# Altium PCB dcdc fix PT1000_16CH.PCBDOC (part 1 of 5)
Units mm, origin at the board's own origin, x right, y up, seen from the top; angles counter-clockwise.
Board outline 289.59 x 100 mm, 4 copper layers (TOP, G1, L2, BOT), stack 1.55 mm thick; 578 components, 662 nets, 2471 pads, 1032 vias.
Unrouted connection lines stored in the file: 760.
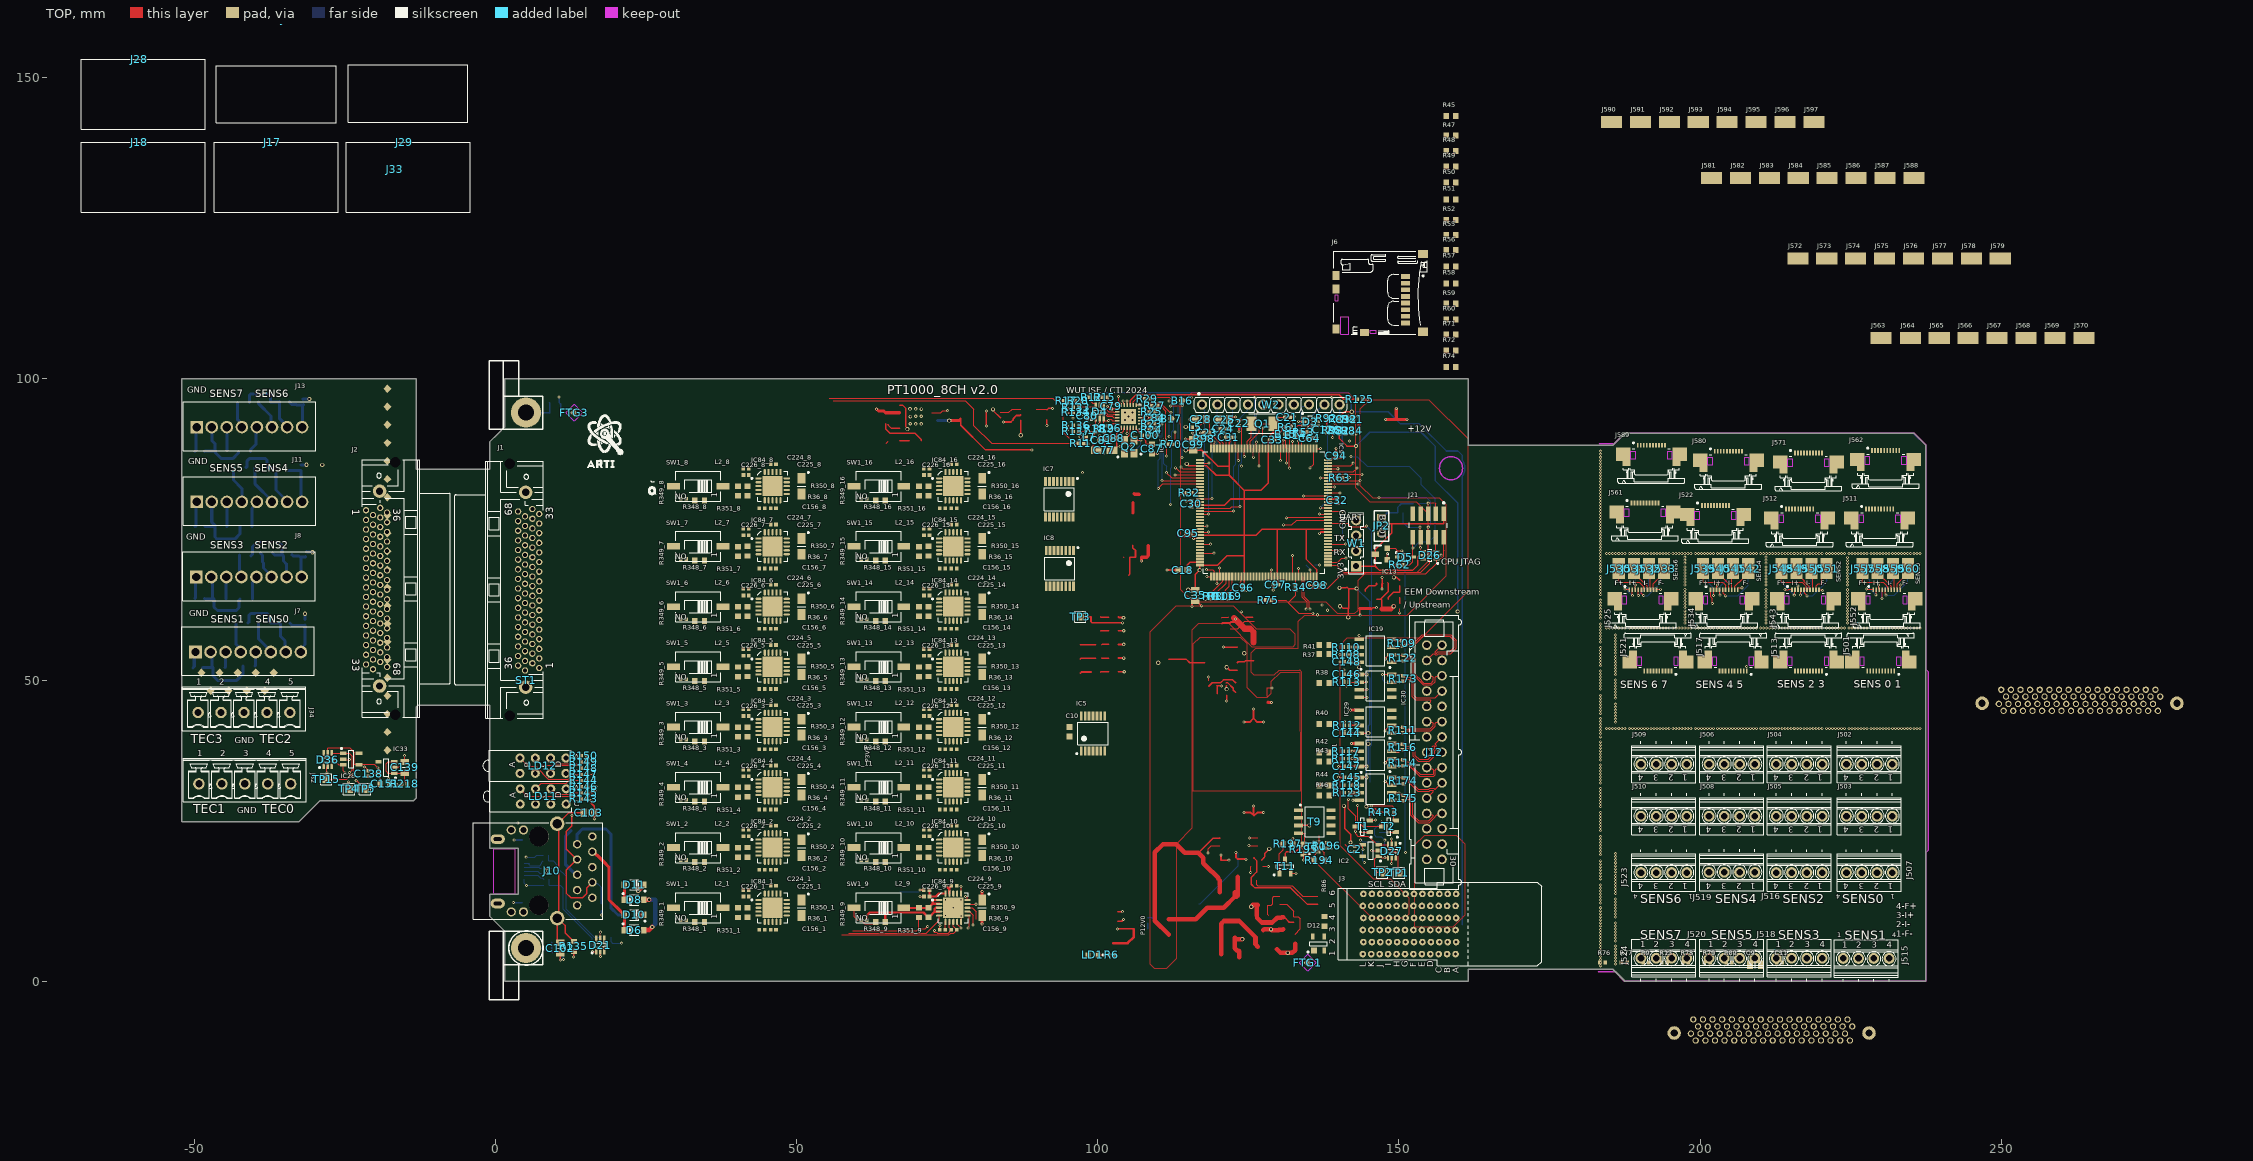
[diagram p0: TOP view]
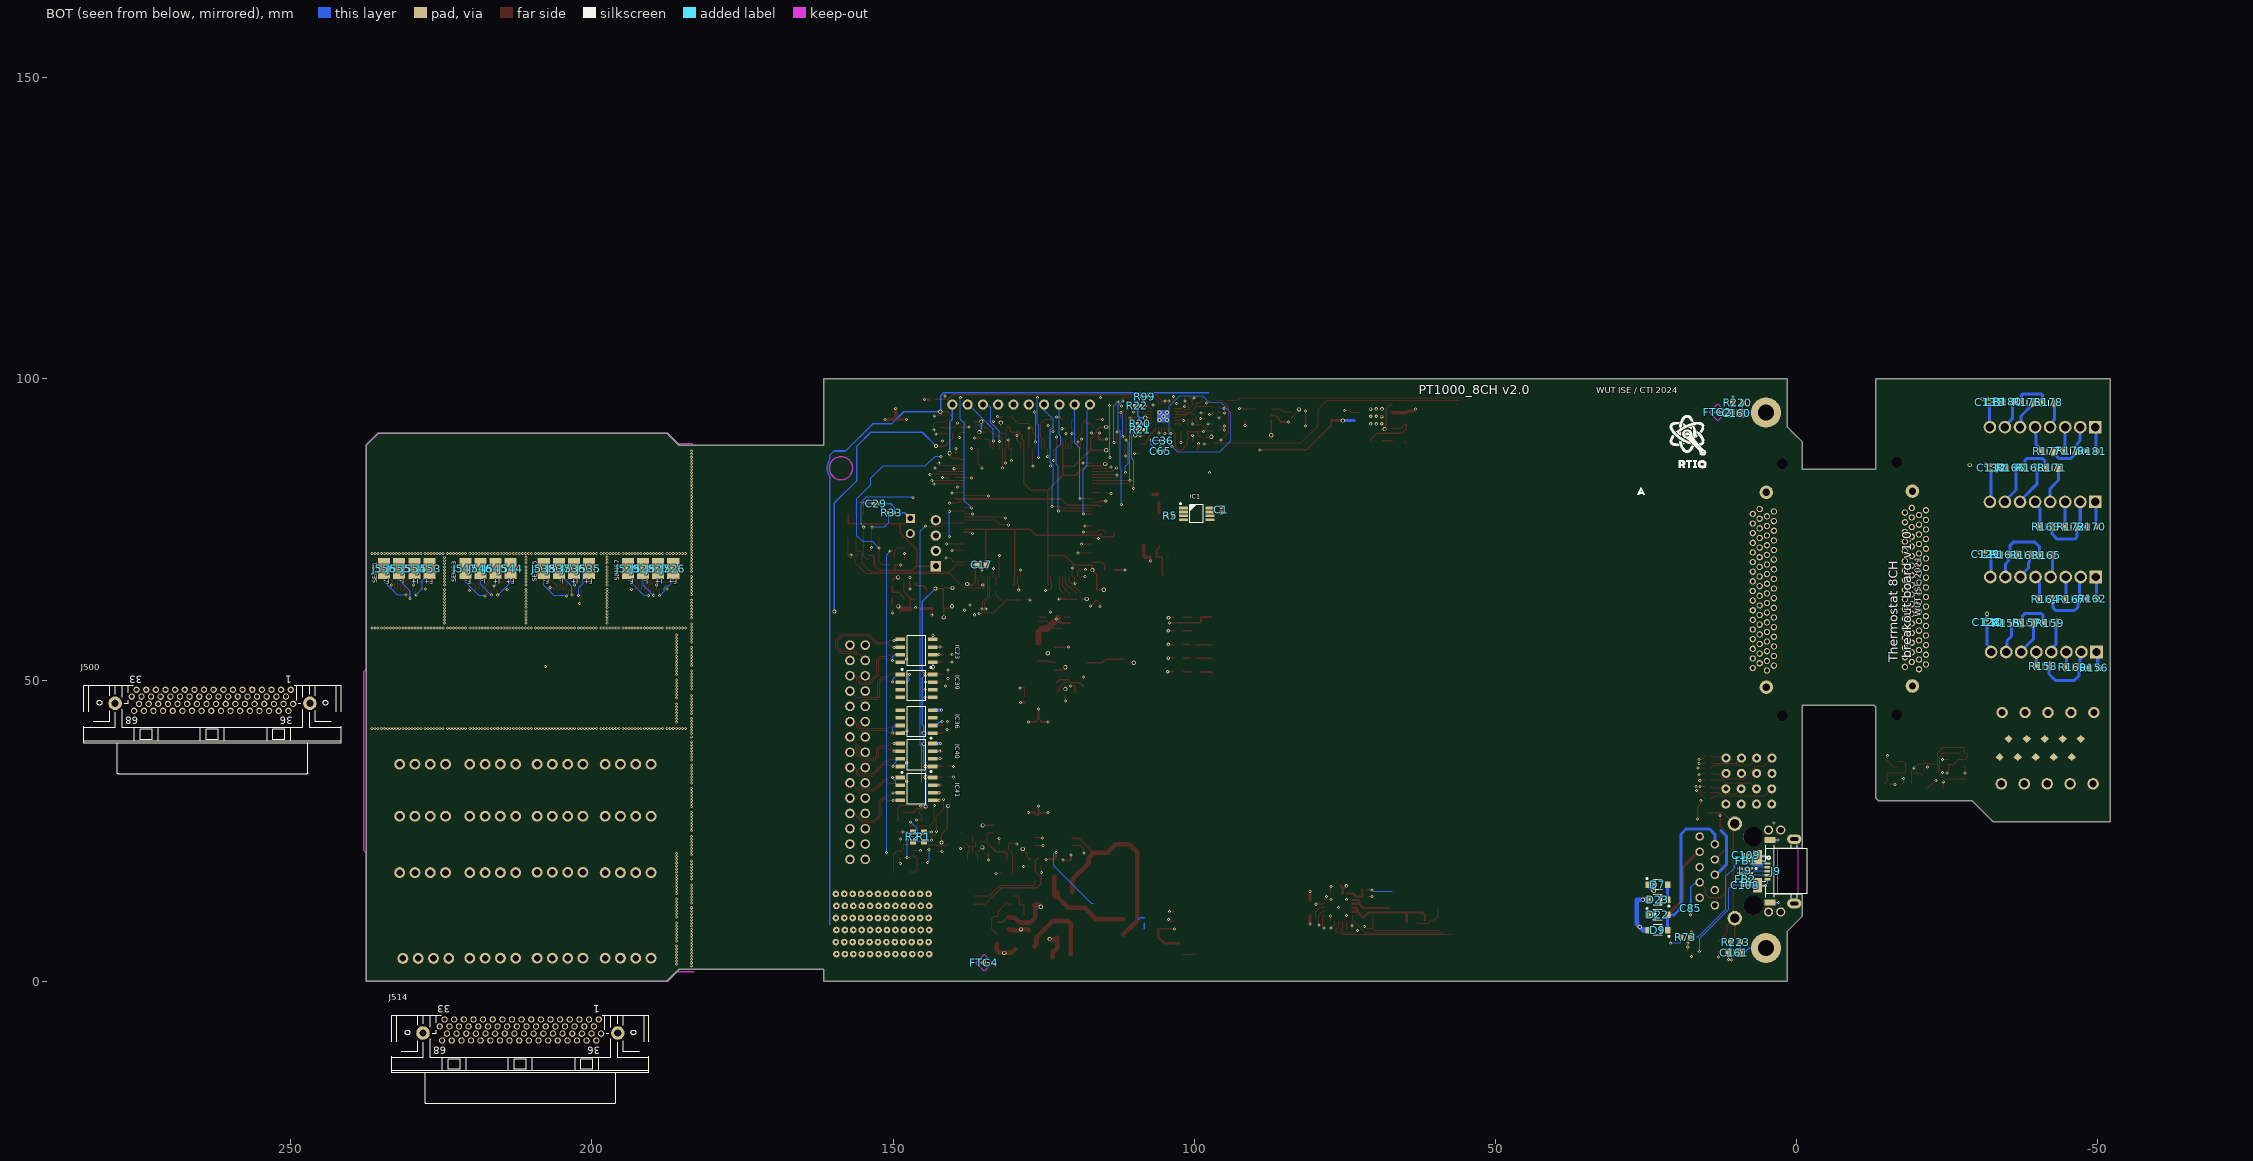
[diagram p1: BOT view, seen from below]
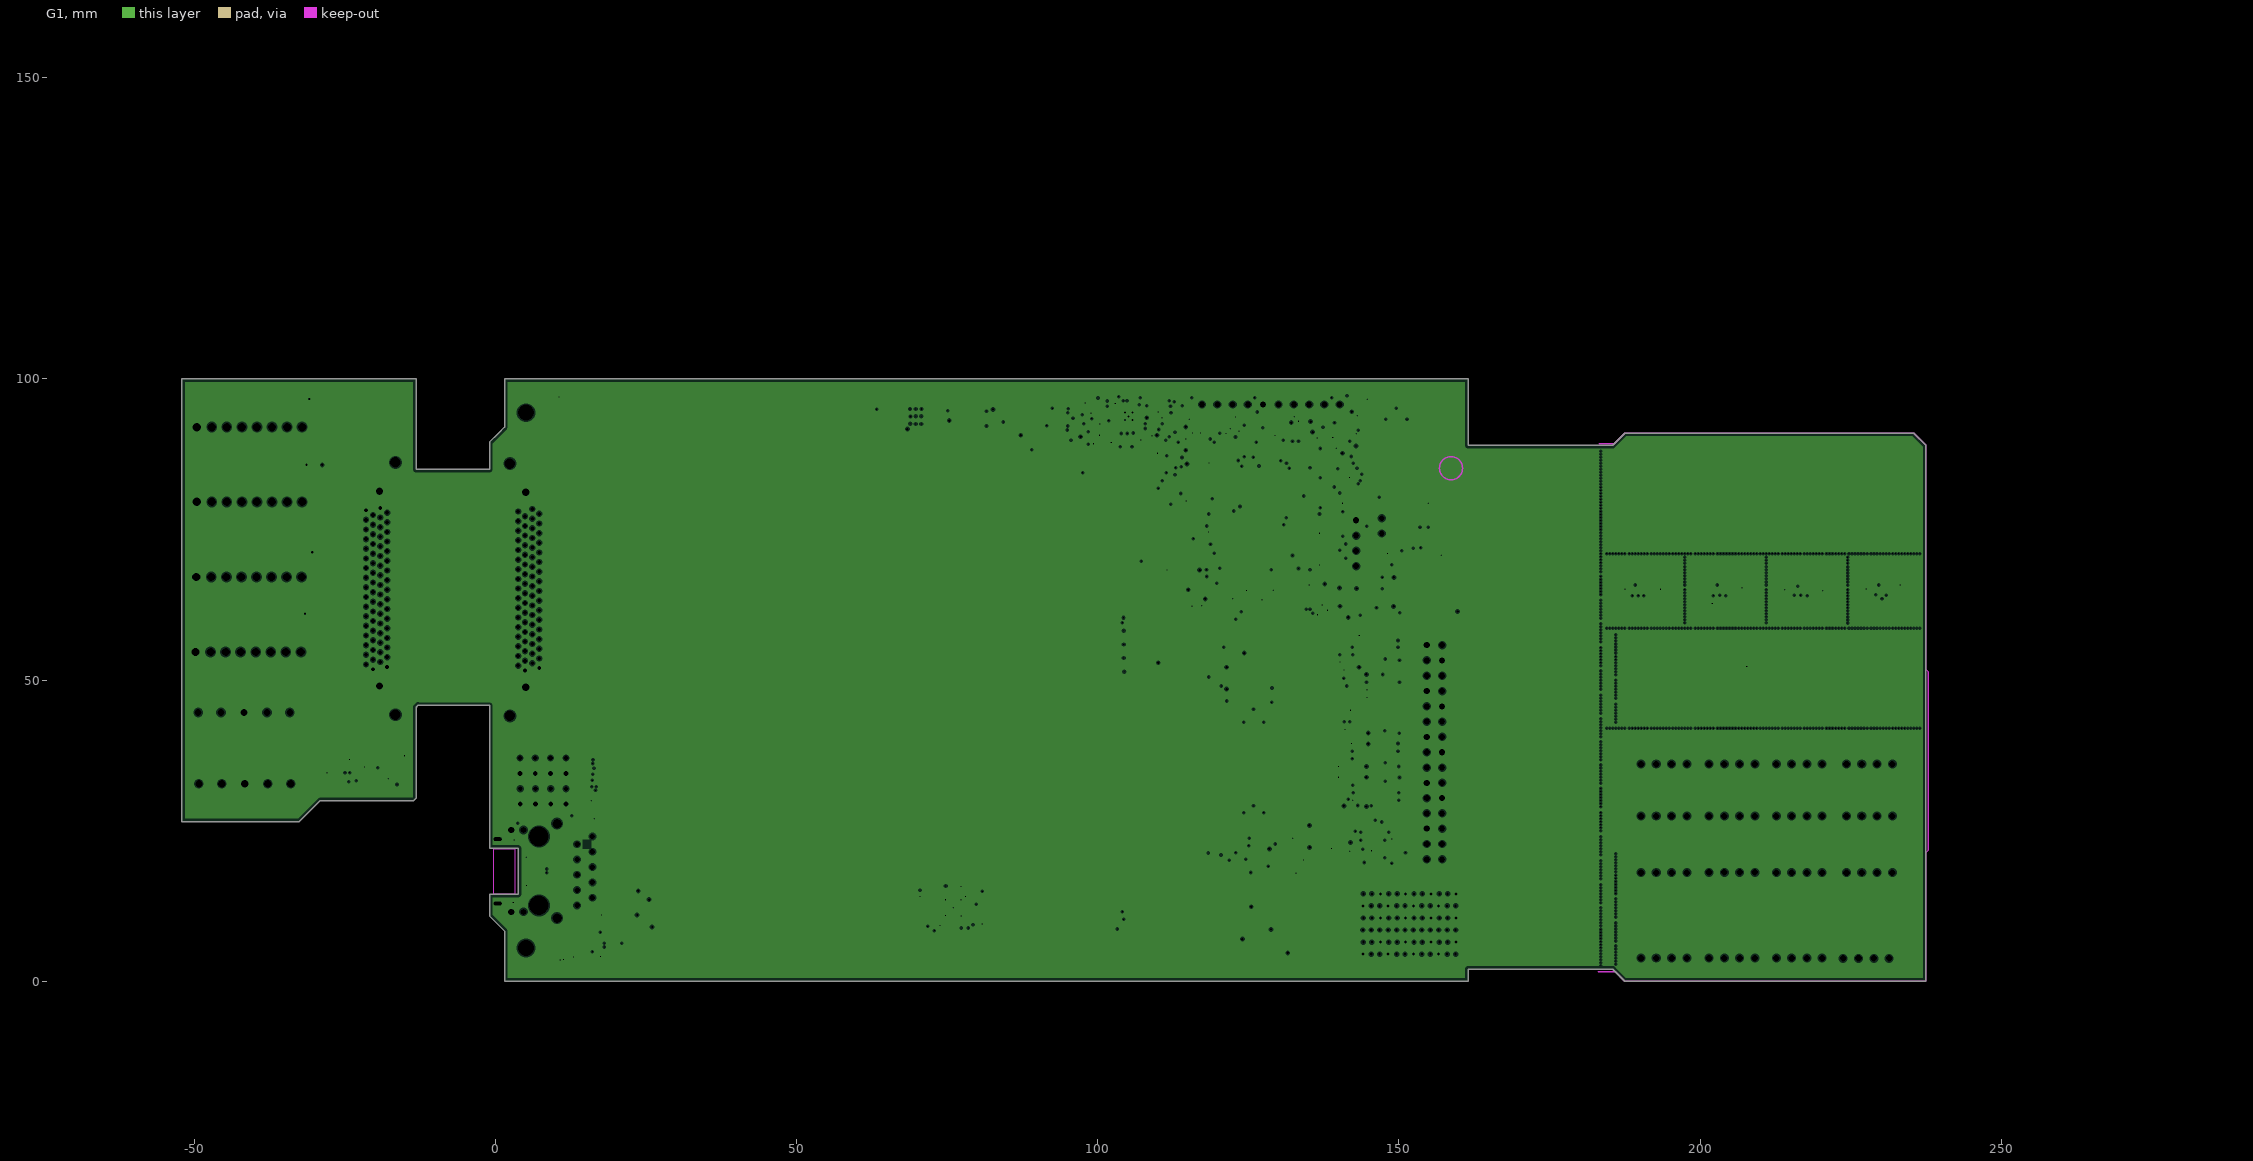
[diagram p2: G1, clearances drawn from the general rule]
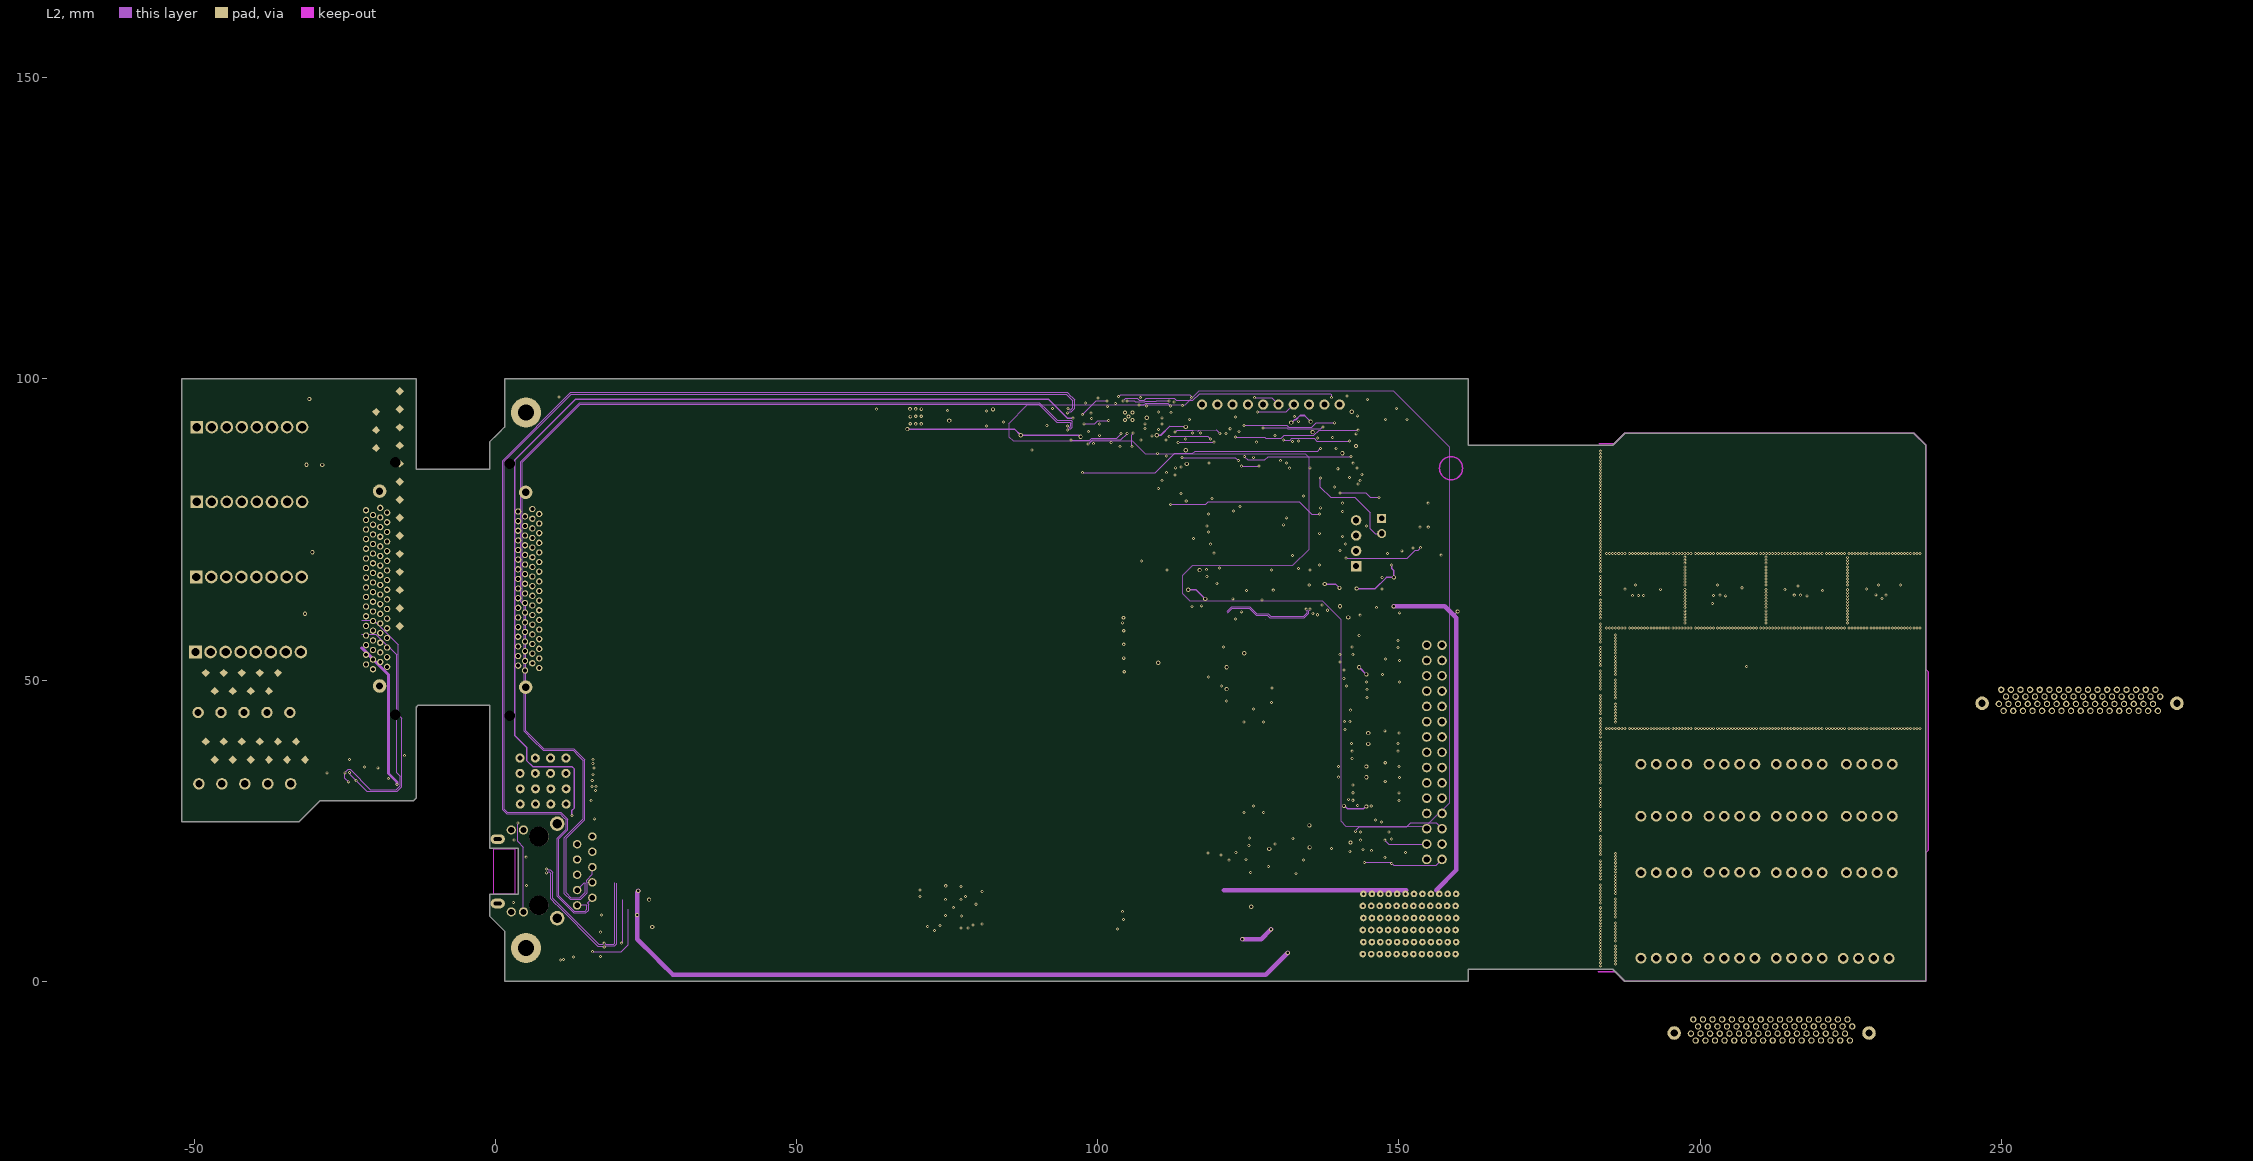
[diagram p3: L2]

## Layer stack, top to bottom
TopSolder: solder mask 0.01, Solder Resist, Dk 3.5
TOP: signal copper 0.035
Dielectric1: prepreg 0.18, FR-4, Dk 4.8
G1: plane copper 0.035, net GND
Dielectric2: core 1.05, Core-042, Dk 4.6
L2: signal copper 0.035
Dielectric3: prepreg 0.18, FR-4, Dk 4.8
BOT: signal copper 0.035
BottomSolder: solder mask 0.01, Solder Resist, Dk 3.5

## Board outline
-52.096,26.5 -32.596,26.5 -29.096,30 -13.596,30 -13.183,30.413 -13.183,45.491 -12.855,45.819 -1,45.819 -0.989,45.808 -0.989,22.1 3.7,22.1 3.8,22 3.8,14.5 3.7,14.4 -0.989,14.4 -0.989,10.809 1.5,8.32 1.5,0 161.495,0 161.495,2 185.495,2 187.495,0 237.495,0 237.495,89 235.495,91 187.495,91 185.495,89 161.495,89 161.495,100 1.5,100 1.5,92 0.5,91 -0.989,89.511 -0.989,85.014 -13.195,85.014 -13.195,100 -52.096,100 -52.096,45.805 -52.095,45.796
cut-out: 2.95,22 3.15,22 3.15,14.475 -0.275,14.475 -0.3,14.5 -0.3,22

## Design rules (kind name [scope] priority, off if disabled: settings)
AcuteAngle [All] p1: minimum=6.00000000000000E+0001 checktracksonly=FALSE
Clearance Clearance_HV [InNetClass('HV') vs not InNetClass('HV')] p1: gap=1 ignorepadtopadclearanceinfootprint=FALSE
Clearance Clearance_balancing [InNamedPolygon('balancing')] p2: gap=1.27 ignorepadtopadclearanceinfootprint=FALSE except(0.635: Via-Via Via-Fill Via-Poly Via-Region Via-Text Via-Hole)
Clearance Clearance_DIFF [(InDifferentialPairClass('All Differential Pairs')and IsTrack ) vs (InDifferentialPairClass('All Differential Pairs') and IsTrack  )] p3 off: gap=0.508 ignorepadtopadclearanceinfootprint=FALSE except(0: Arc-Hole Track-Hole SMDPad-Hole THPad-Hole Via-Hole Fill-Hole Poly-Hole Region-Hole Text-Hole; 0.127: SMDPad-SMDPad SMDPad-THPad SMDPad-Via SMDPad-Fill SMDPad-Poly SMDPad-Region SMDPad-Text THPad-THPad THPad-Via THPad-Fill THPad-Poly THPad-Region THPad-Text Via-Via Via-Fill Via-Poly Via-Region Via-Text)
Clearance [All] p4: gap=0.127 ignorepadtopadclearanceinfootprint=FALSE except(0: Arc-Hole Track-Hole SMDPad-Hole THPad-Hole Via-Hole Fill-Hole Poly-Hole Region-Hole Text-Hole; 0.203: Arc-Poly Track-Poly SMDPad-Poly THPad-Poly Via-Poly Fill-Poly Poly-Poly)
ComponentClearance [All] p1: gap=0 collisioncheckmode=3 verticalgap=0 showdistances=FALSE
DiffPairsRouting [All] p1: maxlimit=0.152 minlimit=0.127 mostfreqgap=0.152 toplayer_minwidth=0.127 toplayer_maxwidth=0.17 toplayer_prefwidth=0.152 midlayer1_minwidth=0.127 midlayer1_maxwidth=0.152 midlayer1_prefwidth=0.152 bottomlayer_minwidth=0.127 bottomlayer_maxwidth=0.17 bottomlayer_prefwidth=0.152 maxuncoupledlength=12.7
FabricationTestPointUsage TestPointUsage [All] p1: valid=0 allowmultiple=FALSE
FabricationTestpoint Testpoint [All] p1: side=3 testpointundercomponent=TRUE minsize=1.016 maxsize=2.54 preferedsize=1.524 minholesize=0.508 maxholesize=1.016 preferedholesize=0.813 testpointgrid=0.025 allowsidetop=TRUE allowsidebottom=TRUE usegrid=TRUE gridtolerance=0
Height [All] p1: minheight=0 maxheight=40 prefheight=40
HoleSize [All] p1: absolutevalues=TRUE maxlimit=3.81 minlimit=0.025 maxpercent=80.000 minpercent=20.000
HoleToHoleClearance [All] p1: gap=0.025 allowstackedmicrovias=TRUE
MatchedLengths "Schematic Matched Net Lengths_3" [InNet('PHY_TD_P')] p1: tolerance=2.54 checknetsindiffpair=TRUE checkdiffpairvsdiffpair=FALSE checkxsignals=FALSE checkothers=FALSE
MatchedLengths "Schematic Matched Net Lengths_2" [InNet('PHY_RD_P')] p2: tolerance=2.54 checknetsindiffpair=TRUE checkdiffpairvsdiffpair=FALSE checkxsignals=FALSE checkothers=FALSE
MatchedLengths "Schematic Matched Net Lengths_1" [InNet('PHY_TD_N')] p3: tolerance=2.54 checknetsindiffpair=TRUE checkdiffpairvsdiffpair=FALSE checkxsignals=FALSE checkothers=FALSE
MatchedLengths "Schematic Matched Net Lengths" [InNet('PHY_RD_N')] p4: tolerance=2.54 checknetsindiffpair=TRUE checkdiffpairvsdiffpair=FALSE checkxsignals=FALSE checkothers=FALSE
MinimumSolderMaskSliver [All] p1: minsoldermaskwidth=0
PlaneClearance PlaneClearance_HV [InNetClass('HV')] p1: clearance=1
PlaneClearance [All] p2: clearance=0.2
PlaneConnect [All] p1: pad.planeconnectstyle=Relief pad.reliefexpansion=0.254 pad.reliefentries=4 pad.reliefconductorwidth=0.254 pad.reliefairgap=0.152 via.planeconnectstyle=Direct via.reliefexpansion=0.508 via.reliefentries=4 via.reliefconductorwidth=0.254 via.reliefairgap=0.254
PolygonConnect PolygonConnect_Power [InComponent('C155') or InComponent('C156') or  InComponent('C157') or  InComponent('C158') or InComponent('C163') or InComponent('C164')  or InComponent('C165')or InComponent('C167') or InComponent('L2_1')  or InComponent('L2_2') or InComponent('L2_3') or InComponent('L2_4')    or InComponent('L4_1')  or InComponent('L4_2') or InComponent('L4_3') or InComponent('L4_4')] p1: connectstyle=Relief reliefconductorwidth=0.4 reliefentries=4 polygonreliefangle="90 Angle" airgapwidth=0.254
PolygonConnect PolygonConnect_BGA [HasFootprint('LGA25C127P5X5_625X625X192')] p2: connectstyle=Direct reliefconductorwidth=0.254 reliefentries=4 polygonreliefangle="90 Angle" airgapwidth=0.254
PolygonConnect PolygonConnect_pad [All] p3: thpad.connectstyle=Relief thpad.reliefconductorwidth=0.254 thpad.reliefentries=4 thpad.polygonreliefangle="90 Angle" thpad.airgapwidth=0.152 smdpad.connectstyle=Relief smdpad.reliefconductorwidth=0.254 smdpad.reliefentries=4 smdpad.polygonreliefangle="90 Angle" smdpad.airgapwidth=0.152 via.connectstyle=Direct via.reliefconductorwidth=0.254 via.reliefentries=4 via.polygonreliefangle="90 Angle" via.airgapwidth=0.152
RoutingVias RoutingVias_HPOW [InNetClass('HPOW')] p1: holewidth=0.711 width=1.27 viastyle="Through Hole" minholewidth=0.711 minwidth=1.27 maxholewidth=0.711 maxwidth=1.27 useviatemplates=TRUE viatemplateguid#1={C4BC9E51-A50C-4827-9BB3-4603308538B4} viatemplateguid#2={B5D767B0-96F0-490E-9621-DF468C9DD5C8} viatemplateguid#3={CC3703E4-4F4D-4ECC-8BAE-5075FE03B580} viatemplatename#1=v50h20m0mx0 viatemplatename#2=v66h33m0mx0 viatemplatename#3=v70h40m0mx0
RoutingVias [All] p2: holewidth=0.2 width=0.5 viastyle="Through Hole" minholewidth=0.2 minwidth=0.5 maxholewidth=1 maxwidth=2 useviatemplates=TRUE viatemplateguid#1={C4BC9E51-A50C-4827-9BB3-4603308538B4} viatemplateguid#2={A86ABFB5-DEF7-4A39-8B53-0CFF0DEED7D0} viatemplateguid#3={C0EBE885-0A75-4383-AABD-E9C68A6ADC0C} viatemplateguid#4={B5D767B0-96F0-490E-9621-DF468C9DD5C8} viatemplateguid#5={CC3703E4-4F4D-4ECC-8BAE-5075FE03B580} viatemplateguid#6={09B06083-E995-414E-AB37-2F7DC4B9C6DF} viatemplateguid#7={4937D8D9-3ACA-4365-854C-C932E18BD1B1} viatemplatename#1=v50h20m0mx0 viatemplatename#2=v60h30 viatemplatename#3=v60h30m0mx0(1) viatemplatename#4=v66h33m0mx0 viatemplatename#5=v70h40m0mx0 viatemplatename#6=v60h30m0mx0 viatemplatename#7=v50h20m55mx0
SilkToSilkClearance [All] p1: silktosilkclearance=0
SilkToSolderMaskClearance SilkscreenOverComponentPads [IsPad] p1: minsilkscreentomaskgap=0 clearancetoexposedcopper=TRUE
SolderMaskExpansion [All] p1: expansion=0.015 istentingtop=FALSE
SupplyNets "Schematic Supply Nets_12" [InNet('GND')] p1: voltage=0.000
SupplyNets "Schematic Supply Nets_11" [InNet('P12V0_IN')] p2: voltage=0.000
SupplyNets "Schematic Supply Nets_10" [InNet('P12V0')] p3: voltage=0.000
SupplyNets "Schematic Supply Nets_8" [InNet('P3V3')] p4: voltage=0.000
SupplyNets "Schematic Supply Nets_7" [InNet('P5V0')] p5: voltage=0.000
SupplyNets "Schematic Supply Nets_6" [InNet('P5V0_AFE')] p6: voltage=0.000
SupplyNets "Schematic Supply Nets_5" [InNet('P12V0_EEM')] p7: voltage=0.000
SupplyNets "Schematic Supply Nets_4" [InNet('P3V3_MP')] p8: voltage=0.000
SupplyNets "Schematic Supply Nets_3" [InNet('AVDDT_PHY')] p9: voltage=0.000
SupplyNets "Schematic Supply Nets_2" [InNet('P3V0REF')] p10: voltage=0.000
SupplyNets "Schematic Supply Nets_1" [InNet('P3V3_AFE')] p11: voltage=0.000
SupplyNets "Schematic Supply Nets" [InNet('P5V0A')] p12: voltage=0.000
ViasUnderSMD ViasUnderSMD_QFN [HasFootprint('TSSOP28-EP')  or InComponent('IC11') or InComponent('IC18')  or InComponent('IC15') or InComponent('S1') or InComponent('S2') or InComponent('S3') or InComponent('S4')] p1: allowed=TRUE
ViasUnderSMD [All] p2: allowed=FALSE
Width Width_HPOW [InNetClass('HPOW')] p1: maxlimit=4 minlimit=0.254 preferedwidth=0.5
Width [All] p2: maxlimit=1.27 minlimit=0.127 preferedwidth=0.127
18 further rules are at their usual default settings.

## Classes and differential pairs
component class U_Breakout2: J500 J501 J502 J503 J504 J505 J506 J507 J508 J509 J510 J511 J512 J513 J514 J515 J516 J517 J518 J519 J520 J521 J522 J523 J524 J525 J526 J527 J528 J529 J530 J531 J532 J533 J534 J535 J536 J537 J538 J539 J540 J541 J542 J543 J544 J545 J546 J547 J548 J549 J550 J551 J552 J553 J554 J555 J556 J557 J558 J559 J560 J561 J562 J563 J564 J565 J566 J567 J568 J569 J570 J571 J572 J573 J574 J575 J576 J577 J578 J579 J580 J581 J582 J583 J584 J585 J586 J587 J588 J589 J590 J591 J592 J593 J594 J595 J596 J597
net class PWR: P12V0
component class RTD_15: C156_16 C224_16 C225_16 C226_16 IC84_16 L2_16 R36_16 R348_16 R349_16 R350_16 R351_16 SW1_16
component class RTD_14: C156_15 C224_15 C225_15 C226_15 IC84_15 L2_15 R36_15 R348_15 R349_15 R350_15 R351_15 SW1_15
component class RTD_13: C156_14 C224_14 C225_14 C226_14 IC84_14 L2_14 R36_14 R348_14 R349_14 R350_14 R351_14 SW1_14
component class RTD_12: C156_13 C224_13 C225_13 C226_13 IC84_13 L2_13 R36_13 R348_13 R349_13 R350_13 R351_13 SW1_13
component class RTD_11: C156_12 C224_12 C225_12 C226_12 IC84_12 L2_12 R36_12 R348_12 R349_12 R350_12 R351_12 SW1_12
component class RTD_10: C156_11 C224_11 C225_11 C226_11 IC84_11 L2_11 R36_11 R348_11 R349_11 R350_11 R351_11 SW1_11
component class RTD_09: C156_10 C224_10 C225_10 C226_10 IC84_10 L2_10 R36_10 R348_10 R349_10 R350_10 R351_10 SW1_10
component class RTD_08: C156_9 C224_9 C225_9 C226_9 IC84_9 L2_9 R36_9 R348_9 R349_9 R350_9 R351_9 SW1_9
component class RTD_07: C156_8 C224_8 C225_8 C226_8 IC84_8 L2_8 R36_8 R348_8 R349_8 R350_8 R351_8 SW1_8
component class RTD_06: C156_7 C224_7 C225_7 C226_7 IC84_7 L2_7 R36_7 R348_7 R349_7 R350_7 R351_7 SW1_7
component class RTD_05: C156_6 C224_6 C225_6 C226_6 IC84_6 L2_6 R36_6 R348_6 R349_6 R350_6 R351_6 SW1_6
component class RTD_04: C156_5 C224_5 C225_5 C226_5 IC84_5 L2_5 R36_5 R348_5 R349_5 R350_5 R351_5 SW1_5
channel class RTD: RTD_00 RTD_01 RTD_02 RTD_03 RTD_04 RTD_05 RTD_06 RTD_07 RTD_08 RTD_09 RTD_10 RTD_11 RTD_12 RTD_13 RTD_14 RTD_15
component class RTD_03: C156_4 C224_4 C225_4 C226_4 IC84_4 L2_4 R36_4 R348_4 R349_4 R350_4 R351_4 SW1_4
component class RTD_02: C156_3 C224_3 C225_3 C226_3 IC84_3 L2_3 R36_3 R348_3 R349_3 R350_3 R351_3 SW1_3
component class RTD_01: C156_2 C224_2 C225_2 C226_2 IC84_2 L2_2 R36_2 R348_2 R349_2 R350_2 R351_2 SW1_2
component class RTD_00: C156_1 C224_1 C225_1 C226_1 IC84_1 L2_1 R36_1 R348_1 R349_1 R350_1 R351_1 SW1_1
component class U_Breakout1: C128 C129 C130 C131 C138 C139 C151 D36 IC28 IC33 J2 J7 J8 J11 J13 J17 J18 J28 J29 J31 J32 J33 J34 L10 L11 L12 L13 R155 R156 R157 R158 R159 R160 R161 R162 R163 R164 R165 R166 R167 R168 R169 R170 R171 R172 R176 R177 R178 R179 R180 R181 R218 TP4 TP5 TP15
component class EEM_connector: C10 C144 C145 C146 C147 C148 D12 D27 IC5 IC19 IC23 IC29 IC30 IC31 IC32 IC36 IC39 IC40 IC41 J3 J12 R45 R47 R48 R49 R50 R51 R52 R55 R56 R57 R58 R59 R60 R71 R72 R74 R86 R108 R109 R110 R111 R112 R113 R114 R115 R116 R117 R118 R122 R123 R173 R174 R175 R194 R195 R196 R197 T9 T10 T11
component class Thermostat_16CH: C1 C2 C160 C161 D3 FTG1 FTG2 FTG3 FTG4 IC1 IC2 IC7 IC8 J1 LD1 R1 R2 R3 R4 R5 R6 R37 R38 R40 R41 R42 R43 R44 R46 R220 R223 SCREW5 SCREW6 SCREW7 SCREW8 ST1 Standoff1 Standoff2 Standoff4 T1 T2 TP1 TP2 TP3
net class HV: POE_IN1 POE_IN2 POE_IN3 POE_IN4
component class USB: C108 C109 D21 FB1 FB2 J9 L9 R73 R75
component class U_STM32_F4CPU: B14 B15 C9 C11 C17 C18 C21 C22 C23 C24 C25 C28 C29 C30 C31 C32 C33 C35 C64 C92 C93 C94 C95 C96 C97 C98 C99 C126 D5 D26 IC9 IC13 J6 J21 JP2 L5 LD11 LD12 Q1 R7 R8 R9 R13 R32 R33 R34 R53 R61 R62 R63 R70 R76 R77 R78 R79 R80 R81 R82 R83 R84 R92 R93 R106 R119 R143 R144 R145 R146 R147 R148 R149 R150 W1 W2
component class RMII_Ethernet: B16 B17 C36 C65 C77 C79 C80 C81 C84 C85 C87 C88 C100 C102 C103 D4 D6 D7 D8 D9 D10 D11 D22 D23 IC11 J10 L7 Q2 R11 R12 R15 R17 R18 R19 R20 R21 R22 R23 R24 R25 R26 R27 R28 R29 R98 R99 R125 R133 R134 R135 R136 R137
differential pair LVDS7: +LVDS7_P -LVDS7_N
differential pair LVDS6: +LVDS6_P -LVDS6_N
differential pair LVDS5: +LVDS5_P -LVDS5_N
differential pair LVDS4: +LVDS4_P -LVDS4_N
differential pair LVDS3: +LVDS3_P -LVDS3_N
differential pair LVDS2: +LVDS2_P -LVDS2_N
differential pair LVDS1: +LVDS1_P -LVDS1_N
differential pair LVDS0: +LVDS0_P -LVDS0_N
differential pair BP_IO.LVDS7: +BP_IO.LVDS_P7 -BP_IO.LVDS_N7
differential pair BP_IO.LVDS6: +BP_IO.LVDS_P6 -BP_IO.LVDS_N6
differential pair BP_IO.LVDS5: +BP_IO.LVDS_P5 -BP_IO.LVDS_N5